# Allegro board Flatburn-main PCB.brd (continued)
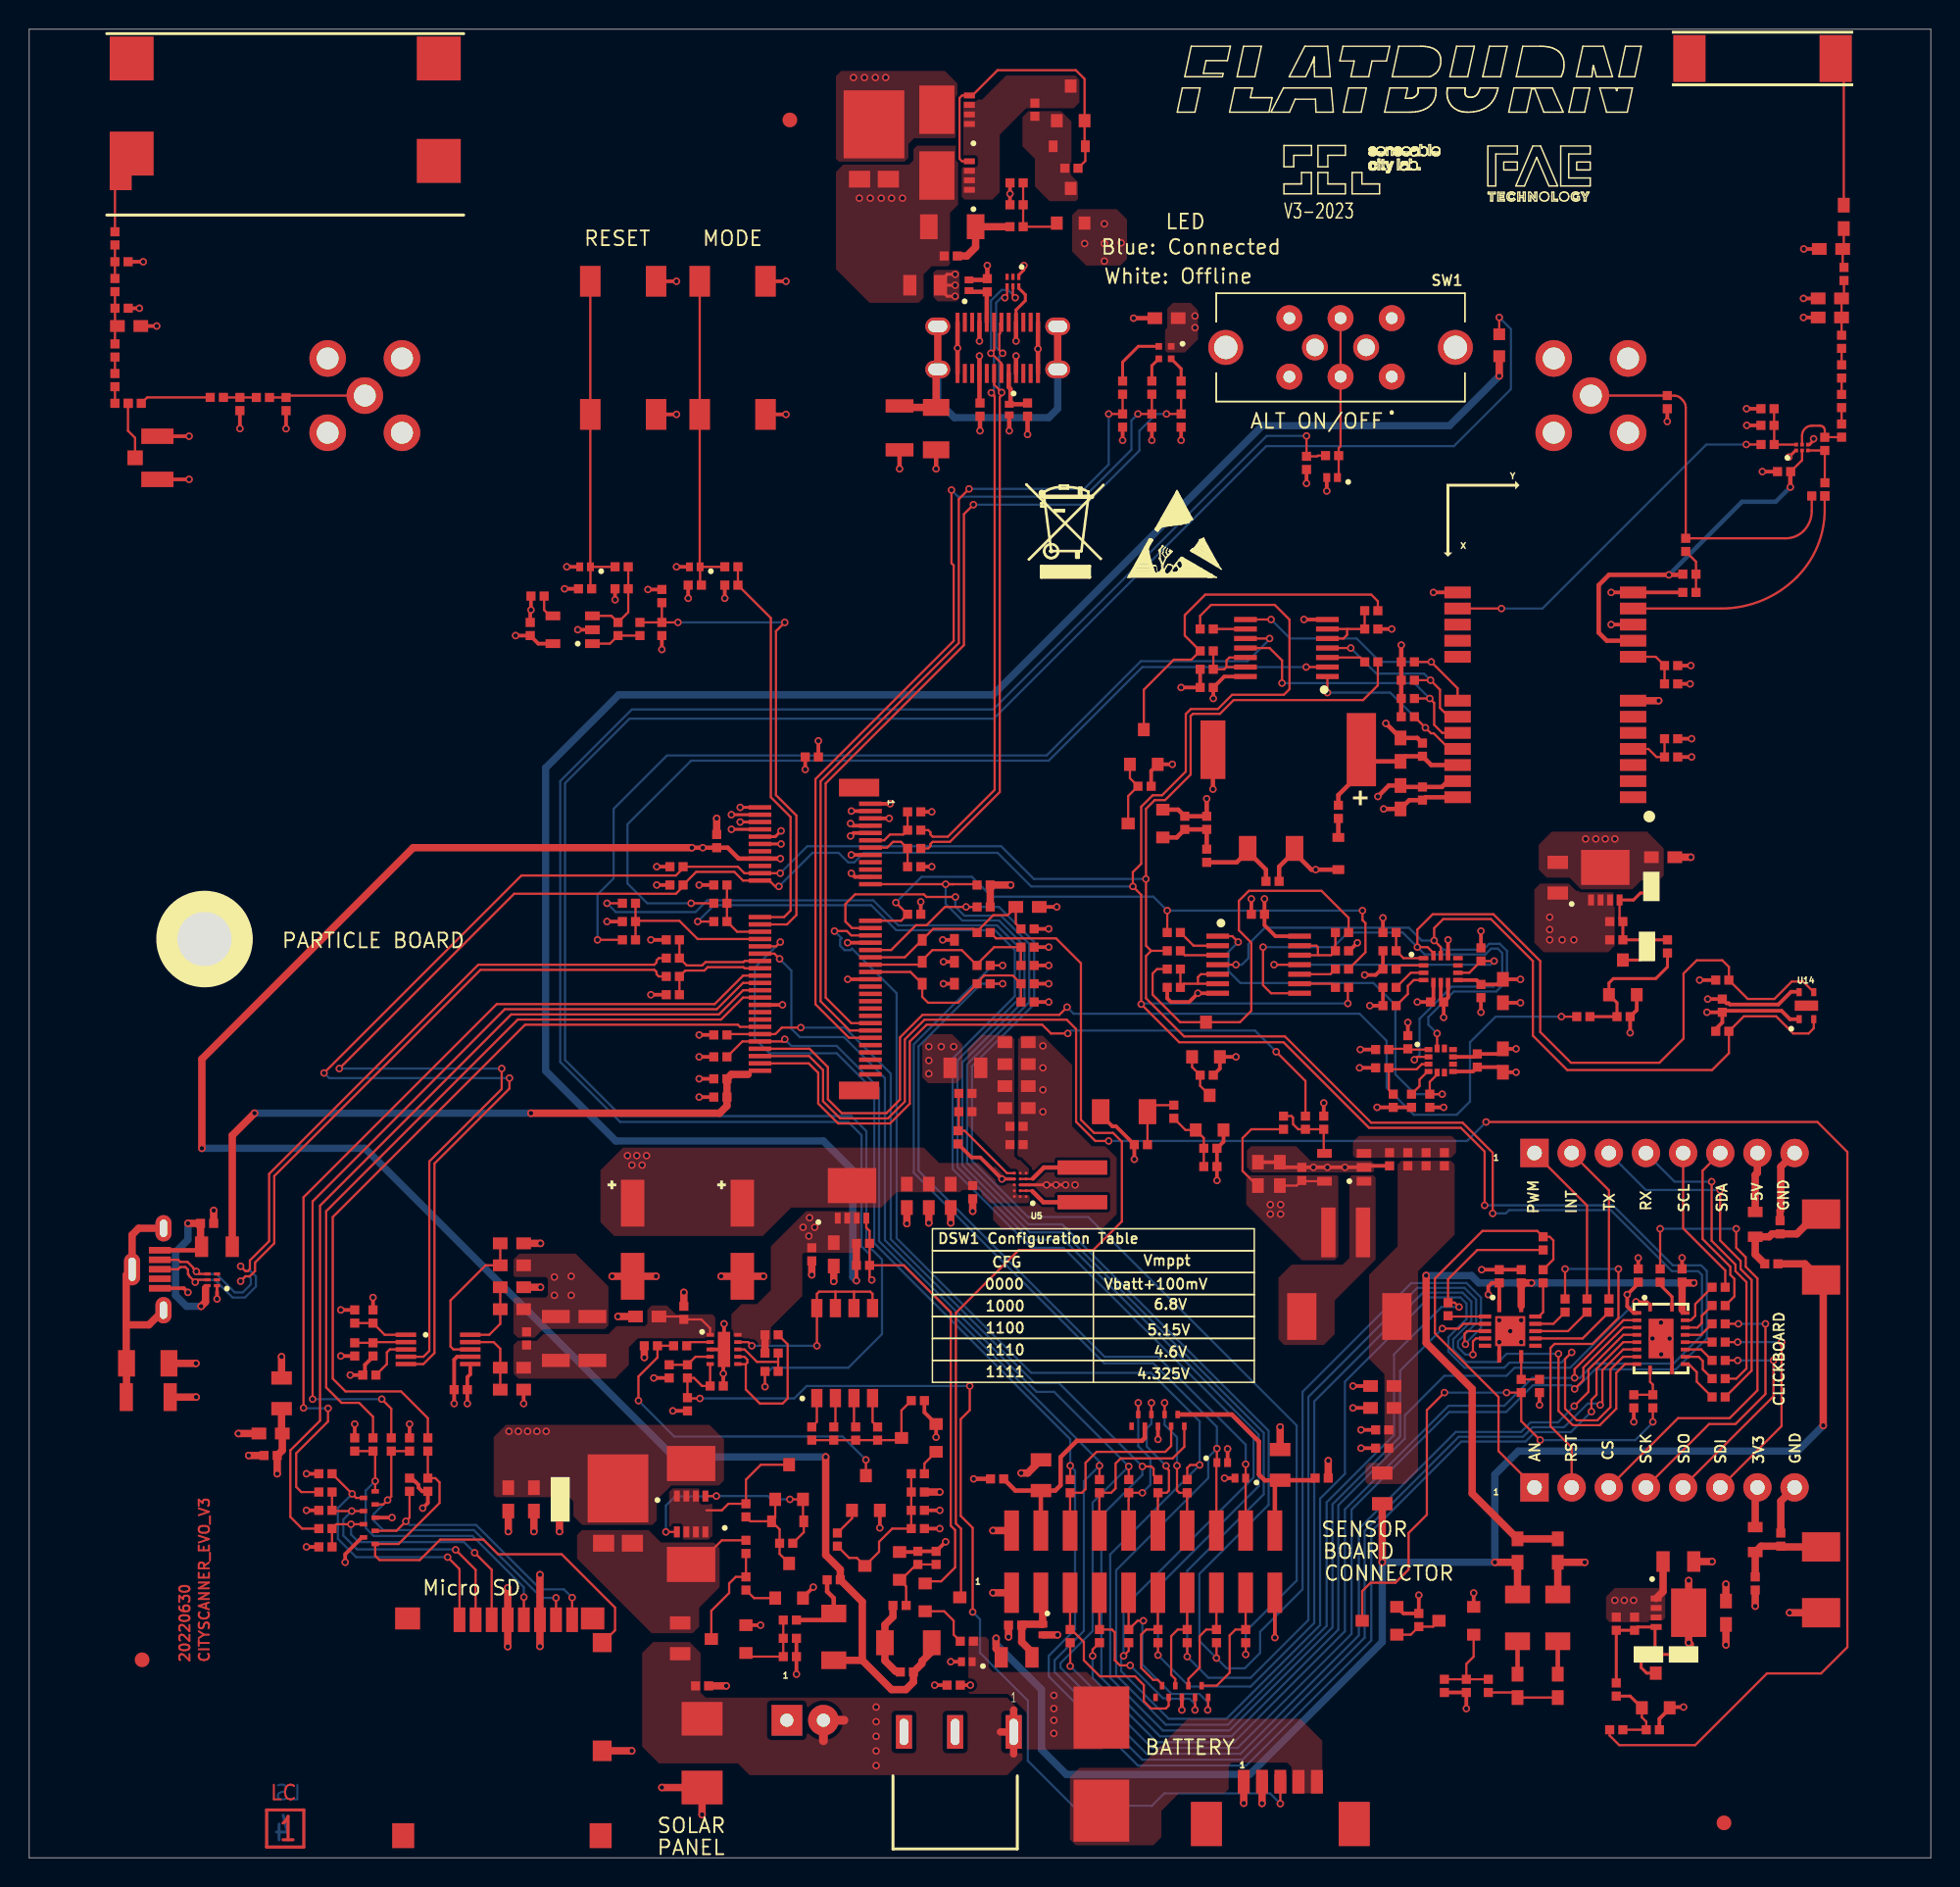
[diagram p0: board, top side]
## Placement (name value [footprint] x y rotation side) (continued)
NOREF#1161  -  []  93.76 57.94 90 top
NOREF#1162  -  []  123.59 100.34 0 top
NOREF#1163  -  []  53.84 31.43 90 top
NOREF#1164  -  []  87.25 49.8 90 top
NOREF#1165  -  []  64.07 113.65 0 top
NOREF#1166  -  []  79.06 97.49 90 top
NOREF#1167  -  []  109.69 40.56 0 top
NOREF#1168  -  []  109.39 31.96 0 top
NOREF#1169  -  []  81.69 27.31 0 top
NOREF#1170  -  []  15.7 29 0 top
NOREF#1171  -  []  64.69 98.86 0 top
NOREF#1172  -  []  102.25 19.8 90 top
NOREF#1173  -  []  6.76 99.43 0 top
NOREF#1174  -  []  75.25 74.75 0 top
NOREF#1175  -  []  56.55 42 0 top
NOREF#1176  -  []  51.3 21.5 0 top
NOREF#1177  -  []  98.69 55.26 0 top
NOREF#1178  -  []  87.63 94.59 90 top
NOREF#1179  -  []  117.5 22.25 0 top
NOREF#1180  -  []  43.86 59.94 90 top
NOREF#1181  -  []  42.85 43.95 90 top
NOREF#1182  -  []  118.98 98.23 0 top
NOREF#1183  -  []  86.67 62.23 90 top
NOREF#1184  -  []  77.5 69.75 90 top
NOREF#1185  -  []  43.75 32.8 90 top
NOREF#1186  -  []  67.64 114.81 0 top
NOREF#1187  -  []  0 125 0 top
NOREF#1188  -  []  52.51 21.19 90 top
NOREF#1189  -  []  109.75 15.55 90 top
NOREF#1190  -  []  64.5 114.5 90 top
NOREF#1191  -  []  107.74 64.31 0 top
NOREF#1192  -  []  36 34 90 top
NOREF#1193  -  []  89.19 71.36 0 top
NOREF#1194  -  []  87.63 6 0 top
NOREF#1195  -  []  108.05 62.75 0 top
NOREF#1196  -  []  100.25 59.65 90 top
NOREF#1197  -  []  78.56 51.14 90 top
NOREF#1198  -  []  43.49 68.06 0 top
NOREF#1199  -  []  77 102.7 90 top
NOREF#1200  -  []  61.05 59.75 0 top
NOREF#1201  -  []  57.69 29.76 0 top
NOREF#1202  -  []  93.75 74.95 90 top
NOREF#1203  -  []  124.22 103.77 90 top
NOREF#1204  -  []  74.86 15.91 0 top
NOREF#1205  -  []  56.68 19.55 90 top
NOREF#1206  -  []  99.56 61.89 90 top
NOREF#1207  -  []  43.25 85.8 90 top
NOREF#1208  -  []  39.27 21.5 0 top
NOREF#1209  -  []  53.5 40.8 90 top
NOREF#1210  -  []  66.2 50.85 90 top
NOREF#1211  -  []  8.93 40.88 90 top
NOREF#1212  -  []  79.01 60.44 90 top
NOREF#1213  -  []  19.07 17.18 90 top
NOREF#1214  -  []  67.05 111.5 0 top
NOREF#1215  -  []  47.24 87.31 0 top
NOREF#1216  -  []  26.94 28.11 0 top
NOREF#1217  -  []  67.78 107.24 90 top
NOREF#1218  -  []  26.31 25.64 90 top
NOREF#1219  -  []  57.42 43.35 90 top
NOREF#1220  -  []  89.8 67.15 90 top
NOREF#1221  -  []  77 103.1 90 top
NOREF#1222  -  []  65.39 66.81 0 top
NOREF#1223  -  []  43.49 66.81 0 top
NOREF#1224  -  []  119.44 21.61 0 top
NOREF#1225  -  []  108.92 65.1 90 top
NOREF#1226  -  []  39.74 87.06 0 top
NOREF#1227  -  []  117.5 43.8 0 top
NOREF#1228  -  []  77.06 99.74 90 top
NOREF#1229  -  []  108.92 65.85 90 top
NOREF#1230  -  []  46.02 21.9 0 top
NOREF#1231  -  []  115.75 57.8 90 top
NOREF#1232  -  []  68.75 119.05 90 top
NOREF#1233  -  []  99.44 11.61 0 top
NOREF#1234  -  []  99.31 54.64 90 top
NOREF#1235  -  []  84.55 66.75 0 top
NOREF#1236  -  []  89.12 25.64 90 top
NOREF#1237  -  []  113.01 74.94 90 top
NOREF#1238  -  []  95.25 72.3 90 top
NOREF#1239  -  []  77.8 59.5 0 top
NOREF#1240  -  []  94.11 78.94 90 top
NOREF#1241  -  []  46.76 11.44 90 top
NOREF#1242  -  []  91.63 0.8 90 top
NOREF#1243  -  []  108.07 65.48 0 top
NOREF#1244  -  []  32.2 40.5 0 top
NOREF#1245  -  []  89.2 70.15 0 top
NOREF#1246  -  []  47.11 52.94 90 top
NOREF#1247  -  []  67.36 111.19 90 top
NOREF#1248  -  []  96.75 11.3 90 top
NOREF#1249  -  []  87.31 46.89 90 top
NOREF#1250  -  []  42.23 62.25 90 top
NOREF#1251  -  []  104 11.35 0 top
NOREF#1252  -  []  89.61 62.94 90 top
NOREF#1253  -  []  72.01 115.19 90 top
NOREF#1254  -  []  48.69 19.51 0 top
NOREF#1255  -  []  76.7 75.15 0 top
NOREF#1256  -  []  41.45 37 0 top
NOREF#1257  -  []  95.93 15.8 90 top
NOREF#1258  -  []  77.48 25.54 90 top
NOREF#1259  -  []  99.25 58.8 90 top
NOREF#1260  -  []  108.64 9.06 0 top
NOREF#1261  -  []  70.31 101.75 90 top
NOREF#1262  -  []  39.74 88.56 0 top
NOREF#1263  -  []  105.1 67.7 0 top
NOREF#1264  -  []  72.5 116.6 90 top
NOREF#1265  -  []  60.2 107.5 0 top
NOREF#1266  -  []  8.26 93.65 0 top
NOREF#1267  -  []  124.21 99.72 90 top
NOREF#1268  -  []  115.64 38.06 0 top
NOREF#1269  -  []  68.26 114.19 90 top
NOREF#1270  -  []  43.25 83.55 90 top
NOREF#1271  -  []  67.8 58.5 0 top
NOREF#1272  -  []  62.31 20.64 90 top
NOREF#1273  -  []  60.14 13.01 0 top
NOREF#1274  -  []  64.5 45.05 90 top
NOREF#1275  -  []  99.56 58.49 90 top
NOREF#1276  -  []  51.24 14.06 0 top
NOREF#1277  -  []  43.55 62.75 0 top
NOREF#1278  -  []  93.14 58.56 0 top
NOREF#1279  -  []  83.03 5.2 0 top
NOREF#1280  -  []  115.3 56.5 0 top
NOREF#1281  -  []  23.19 28.11 0 top
NOREF#1282  -  []  84 69.83 0 top
NOREF#1283  -  []  40.95 37.4 0 top
NOREF#1284  -  []  50.89 33.56 0 top
NOREF#1285  -  []  34 24.9 90 top
NOREF#1286  -  []  64.19 45.36 0 top
NOREF#1287  -  []  59.74 69.31 0 top
NOREF#1288  -  []  55.08 43.35 0 top
NOREF#1289  -  []  62.5 45.65 90 top
NOREF#1290  -  []  80.05 53.5 0 top
NOREF#1291  -  []  12.92 43.06 90 top
NOREF#1292  -  []  42.64 35.31 0 top
NOREF#1293  -  []  89.3 62 0 top
NOREF#1294  -  []  102 39.3 90 top
NOREF#1295  -  []  19.51 15.43 90 top
NOREF#1296  -  []  70.86 26.16 0 top
NOREF#1297  -  []  67.8 63.5 0 top
NOREF#1298  -  []  85.5 45.95 90 top
NOREF#1299  -  []  75.86 48.44 90 top
NOREF#1300  -  []  16.23 0.73 0 top
NOREF#1301  -  []  69.01 58.19 90 top
NOREF#1302  -  []  63.92 113.1 90 top
NOREF#1303  -  []  79.06 100.64 90 top
NOREF#1304  -  []  42.06 84.14 90 top
NOREF#1305  -  []  65.5 107.05 90 top
NOREF#1306  -  []  81.25 62.35 90 top
NOREF#1307  -  []  20.4 96.67 90 top
NOREF#1308  -  []  104.5 10.95 90 top
NOREF#1309  -  []  46.8 64 0 top
NOREF#1310  -  []  87.91 25.95 0 top
NOREF#1311  -  []  89.61 60.44 90 top
NOREF#1312  -  []  34 24.1 0 top
NOREF#1313  -  []  44.06 32.49 90 top
NOREF#1314  -  []  64.07 118.15 0 top
NOREF#1315  -  []  57.36 71.28 90 top
NOREF#1316  -  []  45.31 33.39 90 top
NOREF#1317  -  []  40.56 83.24 90 top
NOREF#1318  -  []  119.6 97.61 90 top
NOREF#1319  -  []  88.2 69.62 90 top
NOREF#1320  -  []  25.69 29.01 0 top
NOREF#1321  -  []  90.3 68.15 90 top
NOREF#1322  -  []  93 47.3 90 top
NOREF#1323  -  []  105.8 57.5 0 top
NOREF#1324  -  []  114.26 87.44 90 top
NOREF#1325  -  []  112.39 80.56 0 top
NOREF#1326  -  []  96.25 55.33 0 top
NOREF#1327  -  []  111.68 99.37 0 top
NOREF#1328  -  []  95.75 51.3 90 top
NOREF#1329  -  []  47.39 52.31 0 top
NOREF#1330  -  []  100.19 40.51 0 top
NOREF#1331  -  []  59.05 21.3 0 top
NOREF#1332  -  []  96.75 72.1 0 top
NOREF#1333  -  []  20.3 25.93 0 top
NOREF#1334  -  []  17.7 30 90 top
NOREF#1335  -  []  51.5 26.47 90 top
NOREF#1336  -  []  65.11 62.94 90 top
NOREF#1337  -  []  78.62 89.84 0 top
NOREF#1338  -  []  11.98 40.02 0 top
NOREF#1339  -  []  61.25 18.75 0 top
NOREF#1340  -  []  95.25 75.3 90 top
NOREF#1341  -  []  114.5 16.25 90 top
NOREF#1342  -  []  115.64 39.31 0 top
NOREF#1343  -  []  50.75 23 0 top
NOREF#1344  -  []  5.86 100.56 90 top
NOREF#1345  -  []  77.05 72.05 0 top
NOREF#1346  -  []  88.31 96.16 0 top
NOREF#1347  -  []  66.74 111.81 0 top
NOREF#1348  -  []  122.3 106.6 0 top
NOREF#1349  -  []  111.49 76.81 0 top
NOREF#1350  -  []  19.07 18.48 90 top
NOREF#1351  -  []  83.5 47.95 0 top
NOREF#1352  -  []  20.11 23.44 90 top
NOREF#1353  -  []  98.25 11.3 90 top
NOREF#1354  -  []  103.56 32.39 90 top
NOREF#1355  -  []  64.38 107.8 0 top
NOREF#1356  -  []  65.41 26.21 0 top
NOREF#1357  -  []  41.76 62.44 90 top
NOREF#1358  -  []  100.25 55.7 0 top
NOREF#1359  -  []  64.8 66.5 0 top
NOREF#1360  -  []  70.25 111.75 0 top
NOREF#1361  -  []  115.61 56.19 90 top
NOREF#1362  -  []  111.8 75.25 0 top
NOREF#1363  -  []  43.86 61.19 90 top
NOREF#1364  -  []  61 44.85 0 top
NOREF#1365  -  []  50.61 35.44 90 top
NOREF#1366  -  []  34.3 33.1 90 top
NOREF#1367  -  []  111.7 20.25 0 top
NOREF#1368  -  []  79.74 80.31 0 top
NOREF#1369  -  []  80.64 81.56 0 top
NOREF#1370  -  []  67.94 99.76 0 top
NOREF#1371  -  []  98.94 59.11 0 top
NOREF#1372  -  []  110.55 76.5 90 top
NOREF#1373  -  []  68.26 48.44 90 top
NOREF#1374  -  []  118.31 18.89 90 top
NOREF#1375  -  []  64.28 119.83 90 top
NOREF#1376  -  []  16.8 28.6 90 top
NOREF#1377  -  []  86.06 49.49 90 top
NOREF#1378  -  []  46.1 87.95 90 top
NOREF#1379  -  []  80.86 15.91 0 top
NOREF#1380  -  []  80.3 48.5 0 top
NOREF#1381  -  []  59.5 19 90 top
NOREF#1382  -  []  111.58 14.85 0 top
NOREF#1383  -  []  104.35 18.85 0 top
NOREF#1384  -  []  110.75 12.22 90 top
NOREF#1385  -  []  82.86 15.91 0 top
NOREF#1386  -  []  115.05 39 0 top
NOREF#1387  -  []  119.2 42.8 90 top
NOREF#1388  -  []  75.75 76.72 90 top
NOREF#1389  -  []  55 28.55 90 top
NOREF#1390  -  []  113.64 88.06 0 top
NOREF#1391  -  []  116.8 21.25 0 top
NOREF#1392  -  []  41.14 65.56 0 top
NOREF#1393  -  []  97 59.83 90 top
NOREF#1394  -  []  31.7 38.6 90 top
NOREF#1395  -  []  56.13 53.83 0 top
NOREF#1396  -  []  80.81 67.74 90 top
NOREF#1397  -  []  66.01 66.19 90 top
NOREF#1398  -  []  79.17 14.7 90 top
NOREF#1399  -  []  28.74 32.31 0 top
NOREF#1400  -  []  88.81 49.49 90 top
NOREF#1401  -  []  90.99 85.56 0 top
NOREF#1402  -  []  123.91 103.18 90 top
NOREF#1403  -  []  44.69 31.76 0 top
NOREF#1404  -  []  61 45.65 90 top
NOREF#1405  -  []  81.17 14.7 90 top
NOREF#1406  -  []  85.76 66.44 90 top
NOREF#1407  -  []  111.22 15.78 90 top
NOREF#1408  -  []  105.55 17.15 90 top
NOREF#1409  -  []  23.21 17.11 90 top
NOREF#1410  -  []  57.51 72.05 90 top
NOREF#1411  -  []  82.97 79.98 90 top
NOREF#1412  -  []  44.85 8.1 90 top
NOREF#1413  -  []  100.22 37.03 0 top
NOREF#1414  -  []  53.81 40.49 90 top
NOREF#1415  -  []  91.63 3.8 90 top
NOREF#1416  -  []  56.19 29.76 0 top
NOREF#1417  -  []  64.8 61 0 top
NOREF#1418  -  []  113.05 87.75 0 top
NOREF#1419  -  []  35.8 84.9 0 top
NOREF#1420  -  []  49.96 62.8 90 top
NOREF#1421  -  []  23.5 34.3 90 top
NOREF#1422  -  []  21.94 35.51 0 top
NOREF#1423  -  []  38.05 34.95 0 top
NOREF#1424  -  []  21.94 36.86 0 top
NOREF#1425  -  []  82.93 26.25 0 top
NOREF#1426  -  []  40.36 87.94 90 top
NOREF#1427  -  []  11.38 40.23 0 top
NOREF#1428  -  []  40.86 63.69 90 top
NOREF#1429  -  []  37.66 108.82 0 top
NOREF#1430  -  []  47.11 55.94 90 top
NOREF#1431  -  []  83.4 25.65 90 top
NOREF#1432  -  []  62.11 101.75 0 top
NOREF#1433  -  []  17.25 99.24 0 top
NOREF#1434  -  []  23.81 33.99 90 top
NOREF#1435  -  []  47.11 54.44 90 top
NOREF#1436  -  []  114.99 60.31 0 top
NOREF#1437  -  []  88.5 79.83 90 top
NOREF#1438  -  []  108.31 37.89 90 top
NOREF#1439  -  []  88.19 50.11 0 top
NOREF#1440  -  []  56.25 23.75 0 top
NOREF#1441  -  []  46.55 33.75 90 top
NOREF#1442  -  []  67.05 114.5 0 top
NOREF#1443  -  []  69.43 15.9 0 top
NOREF#1444  -  []  88 69.83 90 top
NOREF#1445  -  []  41.14 63.06 0 top
NOREF#1446  -  []  116.26 37.44 90 top
NOREF#1447  -  []  109.65 79.1 90 top
NOREF#1448  -  []  45.58 24.73 0 top
NOREF#1449  -  []  97.67 60 90 top
NOREF#1450  -  []  21.31 15.43 0 top
NOREF#1451  -  []  41.25 39.75 90 top
NOREF#1452  -  []  19.49 26.56 0 top
NOREF#1453  -  []  93.75 71.7 90 top
NOREF#1454  -  []  81.48 15.29 90 top
NOREF#1455  -  []  79.43 0.8 0 top
NOREF#1456  -  []  86.94 51.01 0 top
NOREF#1457  -  []  123.9 99.13 90 top
NOREF#1458  -  []  80.5 68.05 90 top
NOREF#1459  -  []  73.25 51 0 top
NOREF#1460  -  []  47.31 69.64 90 top
NOREF#1461  -  []  64.76 51.94 90 top
NOREF#1462  -  []  44.05 15.35 0 top
NOREF#1463  -  []  55.25 21.3 90 top
NOREF#1464  -  []  49.31 21.39 90 top
NOREF#1465  -  []  8.13 104.31 90 top
NOREF#1466  -  []  57.7 24.15 0 top
NOREF#1467  -  []  57.42 43.35 90 top
NOREF#1468  -  []  80.05 84 0 top
NOREF#1469  -  []  60.61 30.94 90 top
NOREF#1470  -  []  51.55 16.25 0 top
NOREF#1471  -  []  34.89 86.56 0 top
NOREF#1472  -  []  88.55 48.15 0 top
NOREF#1473  -  []  81.25 59.1 0 top
NOREF#1474  -  []  6.65 33.8 0 top
NOREF#1475  -  []  58.8 12.65 90 top
NOREF#1476  -  []  53.19 29.76 0 top
NOREF#1477  -  []  75.17 14.7 90 top
NOREF#1478  -  []  77.45 102.25 0 top
NOREF#1479  -  []  46.69 70.26 0 top
NOREF#1480  -  []  60.3 26.25 0 top
NOREF#1481  -  []  95.81 47.89 90 top
NOREF#1482  -  []  79.01 59.19 90 top
NOREF#1483  -  []  25.75 33.75 0 top
NOREF#1484  -  []  96.75 72.1 0 top
NOREF#1485  -  []  20.39 22.81 0 top
NOREF#1486  -  []  93.76 59.19 90 top
NOREF#1487  -  []  45.14 108.82 0 top
NOREF#1488  -  []  12.37 99.83 0 top
NOREF#1489  -  []  43.49 25.75 90 top
NOREF#1490  -  []  39.94 83.86 0 top
NOREF#1491  -  []  108.19 15.86 0 top
NOREF#1492  -  []  53.19 41.11 0 top
NOREF#1493  -  []  106.81 37.89 90 top
NOREF#1494  -  []  66.01 64.69 90 top
NOREF#1495  -  []  26 25.05 90 top
NOREF#1496  -  []  19.07 17.18 0 top
NOREF#1497  -  []  112.69 40.56 0 top
NOREF#1498  -  []  6.63 31.49 0 top
NOREF#1499  -  []  69.9 15.3 90 top
NOREF#1500  -  []  76.86 15.91 0 top
NOREF#1501  -  []  23.5 36.55 90 top
NOREF#1502  -  []  50.3 33.25 0 top
NOREF#1503  -  []  107.1 18.85 0 top
NOREF#1504  -  []  15.74 27.81 0 top
NOREF#1505  -  []  14.33 41.07 90 top
NOREF#1506  -  []  43.49 21.25 0 top
NOREF#1507  -  []  99.52 35 90 top
OBJ1  9774025151R  [DIST-WASMSIM0250]  11.98 62.8 0 top
PB1  FSM14JSMAS  [PB-FSM14JS]  40.61 103.22 0 top
PB2  FSM14JSMAS  [PB-FSM14JS]  48.09 103.22 0 top
Q1  SISS27DN-T1-GE3  [POWERVDFN8-0330X0330]  45.25 20.75 180 top
Q2  SISS27DN-T1-GE3  [POWERVDFN8-0330X0330]  45.25 26.25 0 top
Q3  BC817-25  [SOT23]  51 24.5 270 top
Q4  BC817-25  [SOT23]  49 14 0 top
Q5  BSS138  [SOT23]  51 17.75 270 top
Q6  SISS27DN-T1-GE3  [POWERVDFN8-0330X0330]  62.75 115 90 top
Q7  SISS27DN-T1-GE3  [POWERVDFN8-0330X0330]  62.75 119.5 90 top
Q8  BSS84  [SOT23]  61.25 18.75 180 top
Q9  BC817-25  [SOT23]  70.25 118.75 270 top
Q10  BC817-25  [SOT23]  70.25 111.75 270 top
Q11  NU  [SOT23]  93.5 15.25 0 top
Q12  NU  [SOT23]  98.75 15.25 0 top
Q13  SISS27DN-T1-GE3  [POWERVDFN8-0330X0330]  56.25 45.25 0 top
Q14  BSS138  [SOT23]  56.25 23.75 270 top
Q15  BC817-25  [SOT23]  59.5 19 0 top
Q16  BSS138  [SOT23]  62 27.75 0 top
Q17  SISS27DN-T1-GE3  [POWERVDFN8-0330X0330]  112.75 16.75 270 top
Q18  SISS27DN-T1-GE3  [POWERVDFN8-0330X0330]  107.75 67 0 top
Q19  BSS138  [SOT23]  108 59 270 top
Q20  BSS138  [SOT23]  110.25 10.25 270 top
Q22  BSS84  [SOT23]  75.25 74.75 270 top
Q23  BC817-25  [SOT23]  77.5 69.75 0 top
Q24  BSS84  [SOT23]  79.5 54.75 270 top
Q25  BC817-25  [SOT23]  79.75 49.75 270 top
R1  100k  [RS-0402]  49 21.25 90 top
R2  0R  [RS-0402]  55 19 0 top
R3  10k  [RS-0402]  49 23.75 270 top
R4  NU  [RS-0402]  51.75 21.5 0 top
R5  1k  [RS-0402]  52 16.25 0 top
R6  100R  [RS-0402]  49 18.75 90 top
R7  100k  [RS-0402]  52 15 180 top
R8  0R  [RS-0402]  64.1 14.8 0 top
R9  NU  [RS-0402]  63.2 11.8 180 top
R10  10k  [RS-0402]  68.75 119.5 270 top
R11  NU  [RS-0402]  71.25 115.5 0 top
R12  NU  [RS-0402]  63 109.5 180 top
R13  1k  [RS-0402]  67.5 111.5 180 top
R14  5.1k  [RS-0402]  68.25 99 90 top
R15  1M  [RS-1206]  59.5 97.75 90 top
R16  5.1k  [RS-0402]  65.5 107.5 270 top
R17  100k  [RS-0402]  67.5 113 0 top
R18  33R  [RS-0402]  83.17 15.15 90 top
R19  33R  [RS-0402]  81.17 15.15 90 top
R20  33R  [RS-0402]  79.17 25.4 90 top
R21  33R  [RS-0402]  79.17 15.15 90 top
R22  33R  [RS-0402]  77.17 25.4 90 top
R23  33R  [RS-0402]  77.17 15.15 90 top
R24  33R  [RS-0402]  75.17 25.4 90 top
R25  33R  [RS-0402]  75.17 15.15 90 top
R26  33R  [RS-0402]  73.17 25.4 90 top
R27  33R  [RS-0402]  73.17 15.15 90 top
R28  33R  [RS-0402]  71.17 25.4 90 top
R29  33R  [RS-0402]  71.17 15.15 90 top
R31  NU  [RS-1206]  8.13 31.49 180 top
R32  NU  [RS-0402]  111.5 39.8 90 top
R33  NU  [RS-0603]  101.75 21 270 top
R34  NU  [RS-0603]  104.5 21 270 top
R35  NU  [RS-0402]  103.5 42 90 top
R36  NU  [RS-0402]  115.5 39 0 top
R37  NU  [RS-0402]  95 16.25 90 top
R38  NU  [RS-0402]  97 37.5 270 top
R39  NU  [RS-0402]  103.5 39.75 90 top
R40  NU  [RS-0402]  115.5 37.75 0 top
R41  NU  [RS-0402]  105 37.75 90 top
R42  NU  [RS-0402]  115.5 36.5 0 top
R43  NU  [RS-0402]  106.5 37.75 90 top
R44  NU  [RS-0402]  115.5 35.25 0 top
R45  NU  [RS-0402]  108 37.75 90 top
R46  NU  [RS-0402]  115.5 34 0 top
R47  NU  [RS-0402]  115.5 32.75 0 top
R48  NU  [RS-0603]  104.5 11.75 270 top
R49  NU  [RS-0603]  101.75 11.75 270 top
R50  NU  [RS-0402]  115.5 31.5 0 top
R51  NU  [RS-0402]  99.75 11.75 270 top
R53  NU  [RS-0402]  102 32.25 270 top
R54  NU  [RS-0402]  111 31.2 270 top
R57  NU  [RS-0402]  96.75 11.75 270 top
R59  NU  [RS-0402]  109.7 31.2 90 top
R60  NU  [RS-0402]  103.25 32.25 90 top
R61  NU  [RS-0402]  118 18.75 90 top
R62  NU  [RS-0402]  119.1 40.6 180 top
R63  10k  [RS-0402]  50.75 35.75 180 top
R64  100k  [RS-0402]  50.75 34.5 180 top
R65  10k  [RS-0402]  57 42 0 top
R66  0R04  [RS-1206]  38.5 35.5 270 top
R67  470R  [RS-0402]  50.75 33.25 0 top
R68  0R04  [RS-1206]  36 35.5 270 top
R69  470R  [RS-0402]  44.5 35 0 top
R70  22k  [RS-0402]  45 33.25 90 top
R71  10k  [RS-0402]  23.25 33 180 top
R72  10k  [RS-0402]  23.5 34.75 270 top
R73  10k  [RS-0402]  23.5 37 90 top
R74  10R  [RS-0603]  33 40.5 0 top
R75  10R  [RS-0603]  33 37.5 0 top
R76  10R  [RS-0603]  33 33.5 0 top
R77  100R  [RS-0402]  89.07 95.85 180 top
R78  NU  [RS-0402]  60 12.7 0 top
R79  22k  [RS-0402]  53.5 29 90 top
R81  10k  [RS-0402]  60.75 25 180 top
R82  22k  [RS-0402]  55 29 90 top
R83  22k  [RS-0402]  56.5 29 90 top
R84  22k  [RS-0402]  58 29 90 top
R85  330R  [RS-0402]  42.5 35 0 top
R86  NU  [RS-0402]  45 31 90 top
R87  1k  [RS-0402]  59.5 17.25 180 top
R88  100R  [RS-0402]  60.75 26.25 180 top
R89  100R  [RS-0402]  55.25 21.75 90 top
R90  100k  [RS-0402]  60.75 20.5 270 top
R91  NU  [RS-0402]  60.75 31.25 180 top
R92  NU  [RS-0402]  22.25 34.75 90 top
R93  NU  [RS-0402]  22.25 37 270 top
R94  100k  [RS-0402]  60.75 23.75 180 top
R96  39.2k  [RS-0402]  64 52.25 0 top
R97  NU  [RS-0402]  85.75 50.25 270 top
R98  0R  [RS-0805]  64 54 180 top
R99  0R  [RS-0805]  92.5 25.25 90 top
R101  39.2k  [RS-0402]  94.25 47.75 90 top
R102  0R  [RS-0402]  87.25 50.25 90 top
R103  12.4k  [RS-0402]  63.5 49.25 90 top
R104  13k  [RS-0402]  93 47.75 90 top
R105  10k  [RS-0402]  88.5 50.25 270 top
R106  NU  [RS-0805]  112.75 20.25 0 top
R107  NU  [RS-0805]  104.5 67 90 top
R108  100k  [RS-0402]  108.5 16 270 top
R109  100k  [RS-0402]  108.5 62.75 0 top
R110  NU  [RS-0402]  108.5 11.5 90 top
R111  100R  [RS-0402]  108.5 8.75 0 top
R112  NU  [RS-0402]  112 62.3 90 top
R113  100R  [RS-0402]  106.25 57.5 0 top
R114  10k  [RS-0402]  111 8.75 180 top
R115  10k  [RS-0402]  109 57.5 180 top
R116  100k  [RS-0402]  45.5 87 180 top
R117  NU  [RS-0402]  40.25 84 270 top
R118  100k  [RS-0402]  38 86.75 180 top
R119  100k  [RS-0402]  43.25 84 270 top
R120  100k  [RS-0402]  65.25 65 0 top
R121  2.2k  [RS-0402]  44.25 66.5 180 top
R122  10k  [RS-0402]  47.25 66.5 180 top
R123  100k  [RS-0402]  65.25 66.5 0 top
R124  100R  [RS-0402]  48 88.25 0 top
R125  100R  [RS-0402]  41.75 84 90 top
R126  2.2k  [RS-0402]  44.25 67.75 180 top
R127  10k  [RS-0402]  41 64 180 top
R128  0R  [RS-0402]  60.5 70.25 180 top
R129  100R  [RS-0402]  40.5 88.25 180 top
R130  NU  [RS-0402]  34.75 86.25 0 top
R131  0R  [RS-0402]  60.5 69 180 top
R132  0R  [RS-0402]  44 61.5 180 top
R133  100k  [RS-0402]  65.25 63.25 180 top
R134  0R  [RS-0402]  44 60.25 180 top
R135  10k  [RS-0402]  65.25 61 180 top
R136  470R  [RS-0402]  65.25 59.75 0 top
R139  0R  [RS-0402]  47.25 64 0 top
R140  NU  [RS-0402]  47.25 65.25 0 top
R141  0R  [RS-0402]  41 65.25 0 top
R142  NU  [RS-0402]  41 62.75 0 top
R143  100k  [RS-0402]  68.25 63.5 180 top
R144  10k  [RS-0402]  68.25 61 180 top
R145  100k  [RS-0402]  68.25 59.75 180 top
R146  100k  [RS-0402]  47.25 52 0 top
R149  0R  [RS-0402]  53.5 75.25 0 top
R153  100k  [RS-0402]  47.25 54.75 180 top
R154  100k  [RS-0402]  60.5 64.5 0 top
R158  47k  [RS-0402]  20.25 26.25 180 top
R159  47k  [RS-0402]  20.25 23.75 180 top
R160  47k  [RS-0402]  20.25 21.25 180 top
R161  47k  [RS-0402]  22.25 28.25 90 top
R162  47k  [RS-0402]  26 28.25 90 top
R163  47k  [RS-0402]  26 25.5 90 top
R164  47k  [RS-0402]  27.25 25.5 270 top
R168  33R  [RS-0402]  20.25 25 0 top
R169  33R  [RS-0402]  20.25 22.5 0 top
R170  33R  [RS-0402]  23.5 28.25 270 top
R171  100k  [RS-0402]  78.75 98.25 270 top
R172  100k  [RS-0402]  76.75 98.25 270 top
R173  100k  [RS-0402]  74.75 98.25 270 top
R174  33R  [RS-0402]  24.75 28.25 270 top
R175  33R  [RS-0402]  27.25 28.25 270 top
R176  270R  [RS-0402]  78.75 100.5 90 top
R177  100R  [RS-0402]  76.75 100.5 270 top
R178  100R  [RS-0402]  74.75 100.5 270 top
R179  0R  [RS-0402]  6.31 99.43 180 top
R180  NU  [RS-0402]  7.21 99.43 180 top
R181  100k  [RS-0402]  112.25 81.5 0 top
R183  100k  [RS-0402]  112.25 75.25 0 top
R184  0R  [RS-0402]  122.76 93.55 90 top
R185  100k  [RS-0402]  94.25 78 180 top
R186  100k  [RS-0402]  94.25 79.25 180 top
R187  100k  [RS-0402]  94.25 80.5 180 top
R188  100k  [RS-0402]  94.25 81.75 180 top
R189  2.2k  [RS-0402]  89.5 71.5 270 top
R190  NU  [RS-0402]  122.31 93.1 180 top
R191  NU  [RS-0402]  113.5 87.75 0 top
R197  100R  [RS-0402]  80.5 82.5 0 top
R202  33R  [RS-0402]  91.75 81.75 180 top
R204  NU  [RS-0402]  85 66.75 0 top
R206  100R  [RS-0402]  91.75 85.25 180 top
R208  100k  [RS-0402]  76.25 73.25 0 top
R209  33R  [RS-0402]  80.5 84 0 top
R210  1k  [RS-0402]  80.5 68.5 270 top
R211  10k  [RS-0402]  91.75 84 180 top
R212  10k  [RS-0402]  80.5 81.25 0 top
R213  100k  [RS-0402]  80.5 70.75 90 top
R214  NU  [RS-0402]  93 63.25 180 top
R215  NU  [RS-0402]  99.25 61.75 90 top
R216  100k  [RS-0402]  115.75 56.5 180 top
R217  100k  [RS-0402]  115.75 60 180 top
R218  NU  [RS-0402]  89.75 60.75 180 top
R219  100k  [RS-0402]  95.75 51.75 270 top
R220  NU  [RS-0402]  93 58.25 0 top
R221  NU  [RS-0402]  93 62 0 top
R222  NU  [RS-0402]  93 60.75 0 top
R223  NU  [RS-0402]  93 59.5 0 top
R224  0R  [RS-0402]  78.25 63.25 180 top
R225  100R  [RS-0402]  89.75 63.25 180 top
R226  33R  [RS-0402]  78.25 62 0 top
R228  NU  [RS-0402]  76 48.75 180 top
R230  100R  [RS-0402]  78.25 60.75 0 top
R231  33R  [RS-0402]  89.75 59.5 180 top
R232  100k  [RS-0402]  80.5 53.5 0 top
R233  10k  [RS-0402]  78.25 59.5 0 top
R234  1k  [RS-0402]  78.25 51 90 top
R235  10k  [RS-0402]  89.75 62 180 top
R236  100k  [RS-0402]  80.75 48.5 0 top
R239  10k  [RS-0402]  47.25 56.25 180 top
R240  NU  [RS-0402]  118.84 97.92 0 top
R241  NU  [RS-0402]  122.76 96.66 90 top
R242  1k  [RS-0402]  118.85 96.61 0 top
R243  100k  [RS-0402]  118.84 99.06 180 top
R244  NU  [RS-0402]  15.97 99.83 0 top
R245  NU  [RS-0402]  12.82 99.83 0 top
R246  NU  [RS-0402]  14.4 99.38 270 top
R251  0R  [RS-0402]  94.5 51.75 270 top
R252  0R  [RS-0402]  92.5 54 0 top
R253  NU  [RS-0402]  94.25 55.75 90 top
R254  10k  [RS-0402]  92.5 55.25 0 top
R255  NU  [RS-0402]  112.25 76.5 180 top
R256  12k  [RS-0402]  110.6 62.3 90 top
R257  12k  [RS-0402]  110.7 13.9 0 top
SW1  FS22ABP  [SW-FS22ABP]  93.15 101.25 270 top
TVS1  SMBJ10CA  [SMB]  46 9.5 270 top
TVS2  NSPU3051N2T5G  [D-XDFN2]  64.1 13.4 180 top
TVS3  ESDR0502NMUTBG  [UFDFN6]  67.25 107.75 270 top
TVS4  NSPU3051N2T5G  [D-XDFN2]  67 99 270 top
TVS5  NSPU3051N2T5G  [D-XDFN2]  64.25 107.5 90 top
TVS6  NU  [UFDFN6]  12.51 39.51 180 top
TVS7  D3V3F8U9LP3810-7  [UDFN3810-9]  77.17 29.9 0 top
TVS8  NSPU3051N2T5G  [D-XDFN2]  82.8 25.95 180 top
TVS9  NSPU3051N2T5G  [D-XDFN2]  81.56 27.01 0 top
TVS10  NSPU3051N2T5G  [D-XDFN2]  69.3 15.6 270 top
TVS11  D3V3F8U9LP3810-7  [UDFN3810-9]  78.8 11.36 0 top
TVS12  NSPU3051N2T5G  [D-XDFN2]  89.07 94.35 180 top
TVS13  NSPU3051N2T5G  [D-XDFN2]  38 88.25 180 top
TVS14  NSPU3051N2T5G  [D-XDFN2]  45.5 88.25 180 top
TVS15  D3V3F8U9LP3810-7  [UDFN3810-9]  23.25 23.25 90 top
TVS16  NU  [RS-0402]  17.56 99.38 270 top
TVS17  NU  [RS-0402]  111.99 99.51 270 top
U1  NU  [VFQFN14-EXP-0350X0350]  101.25 36 270 top
U2  NU  [VFQFN20-EXP-0350X0450]  111.56 35.5 0 top
U3  BQ24210DQCT  [WSON10-EXP]  47.5 34.75 0 top
U4  ISL28022FUZ  [MSOP10]  25.75 35.75 0 top
U5  ISL91107IIAZ  [UFBGA15-0151X0215]  67.75 46 180 top
U6  LMR62014XMFX  [SOT23-5]  91.25 46.25 90 top
U7  TPS3823-33DBV  [SOT23-5]  38.5 83 90 top
U11  74LV4066PW  [TSSOP14]  88.75 80.75 90 top
U12  KXTJ3-1057  [VFLGA12]  96.5 54.5 0 top
U13  NU  [VFLGA14L]  96.5 60.75 0 top
U14  SHTC3  [SENS-SHTC3]  121.5 58.25 0 top
U15  74LV4066PW  [TSSOP14]  81.25 63 270 top
U16  BGA725L6E6327FTSA1  [XFDFN6]  121.2 96.41 180 top
